# Altium PCB Main Board.PcbDoc
Units mil, origin at the board's own origin, x right, y up, seen from the top; angles counter-clockwise.
Board outline 7874.02 x 7874.02 mil, 2 copper layers (Top Layer, Bottom Layer); 79 components, 89 nets, 343 pads, 4 vias.
Unrouted connection lines stored in the file: 122.
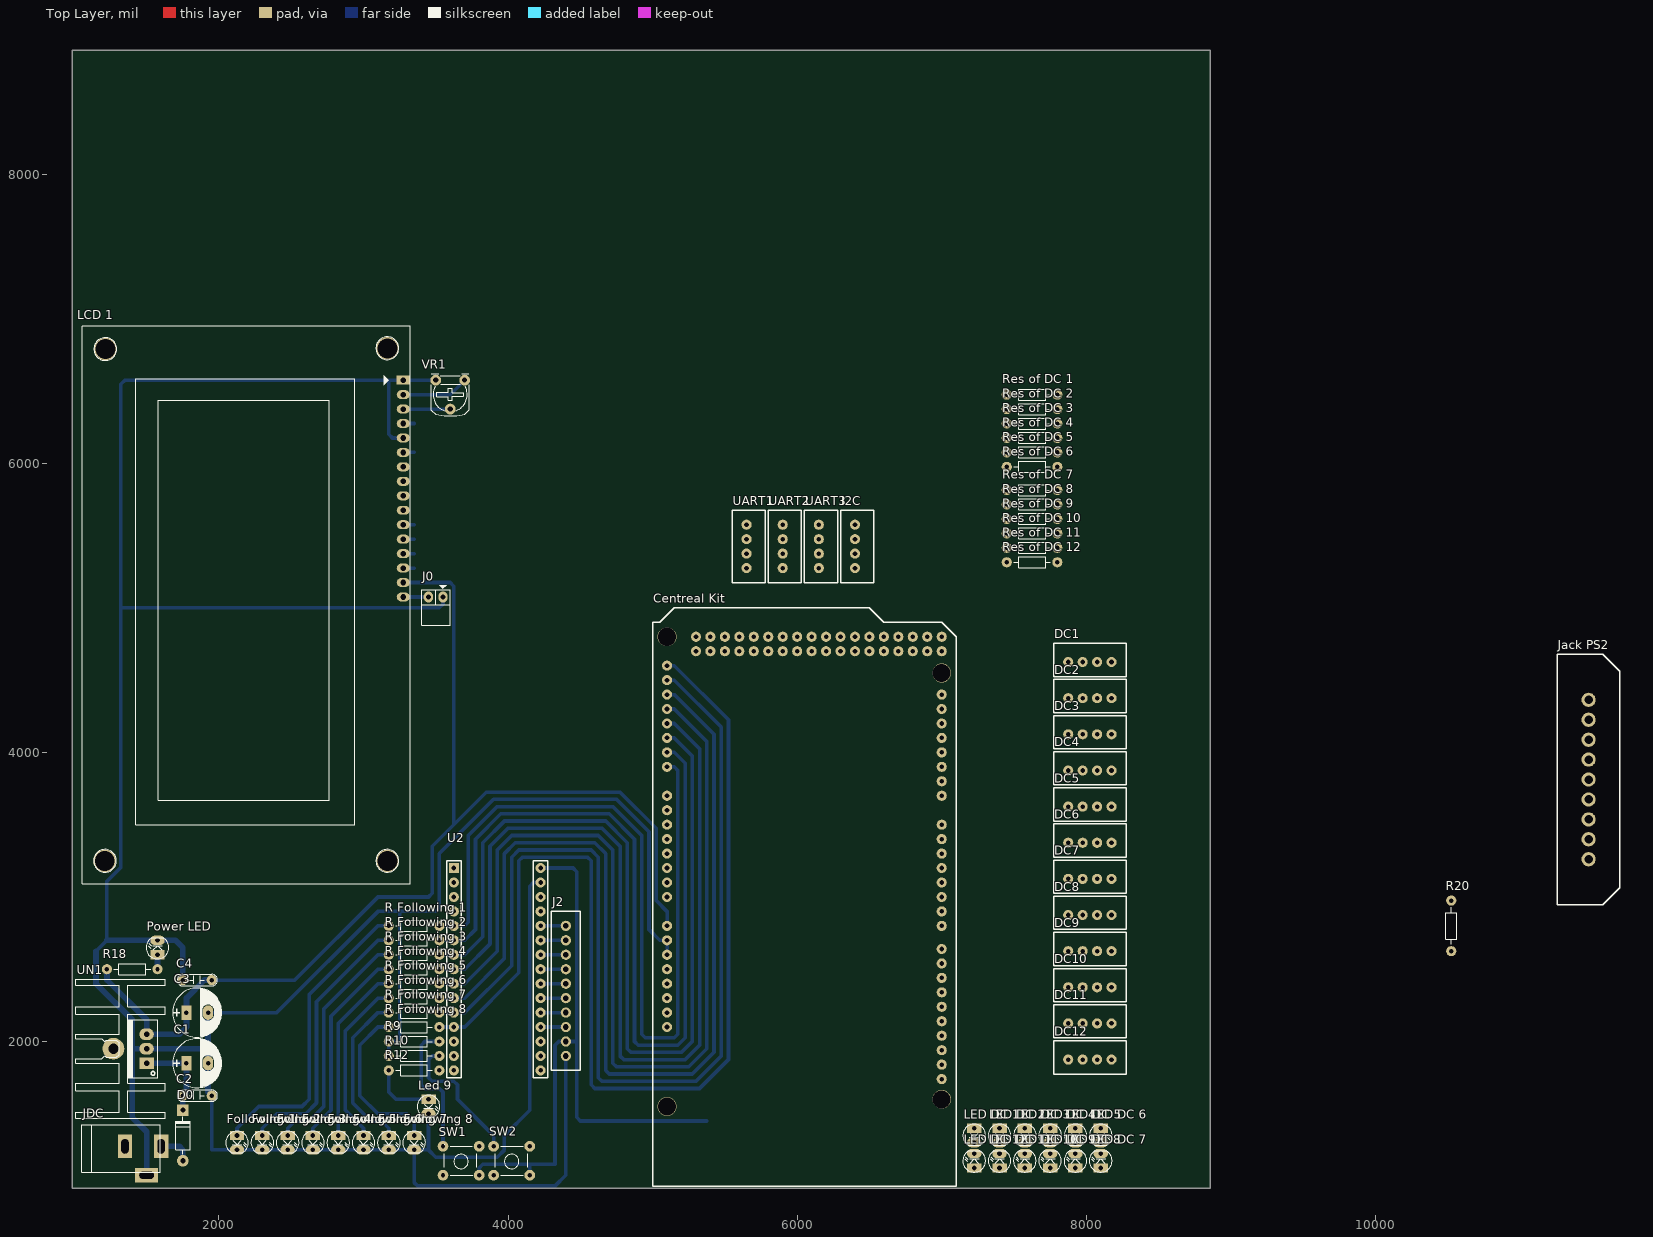
[diagram p0: Top Layer view]
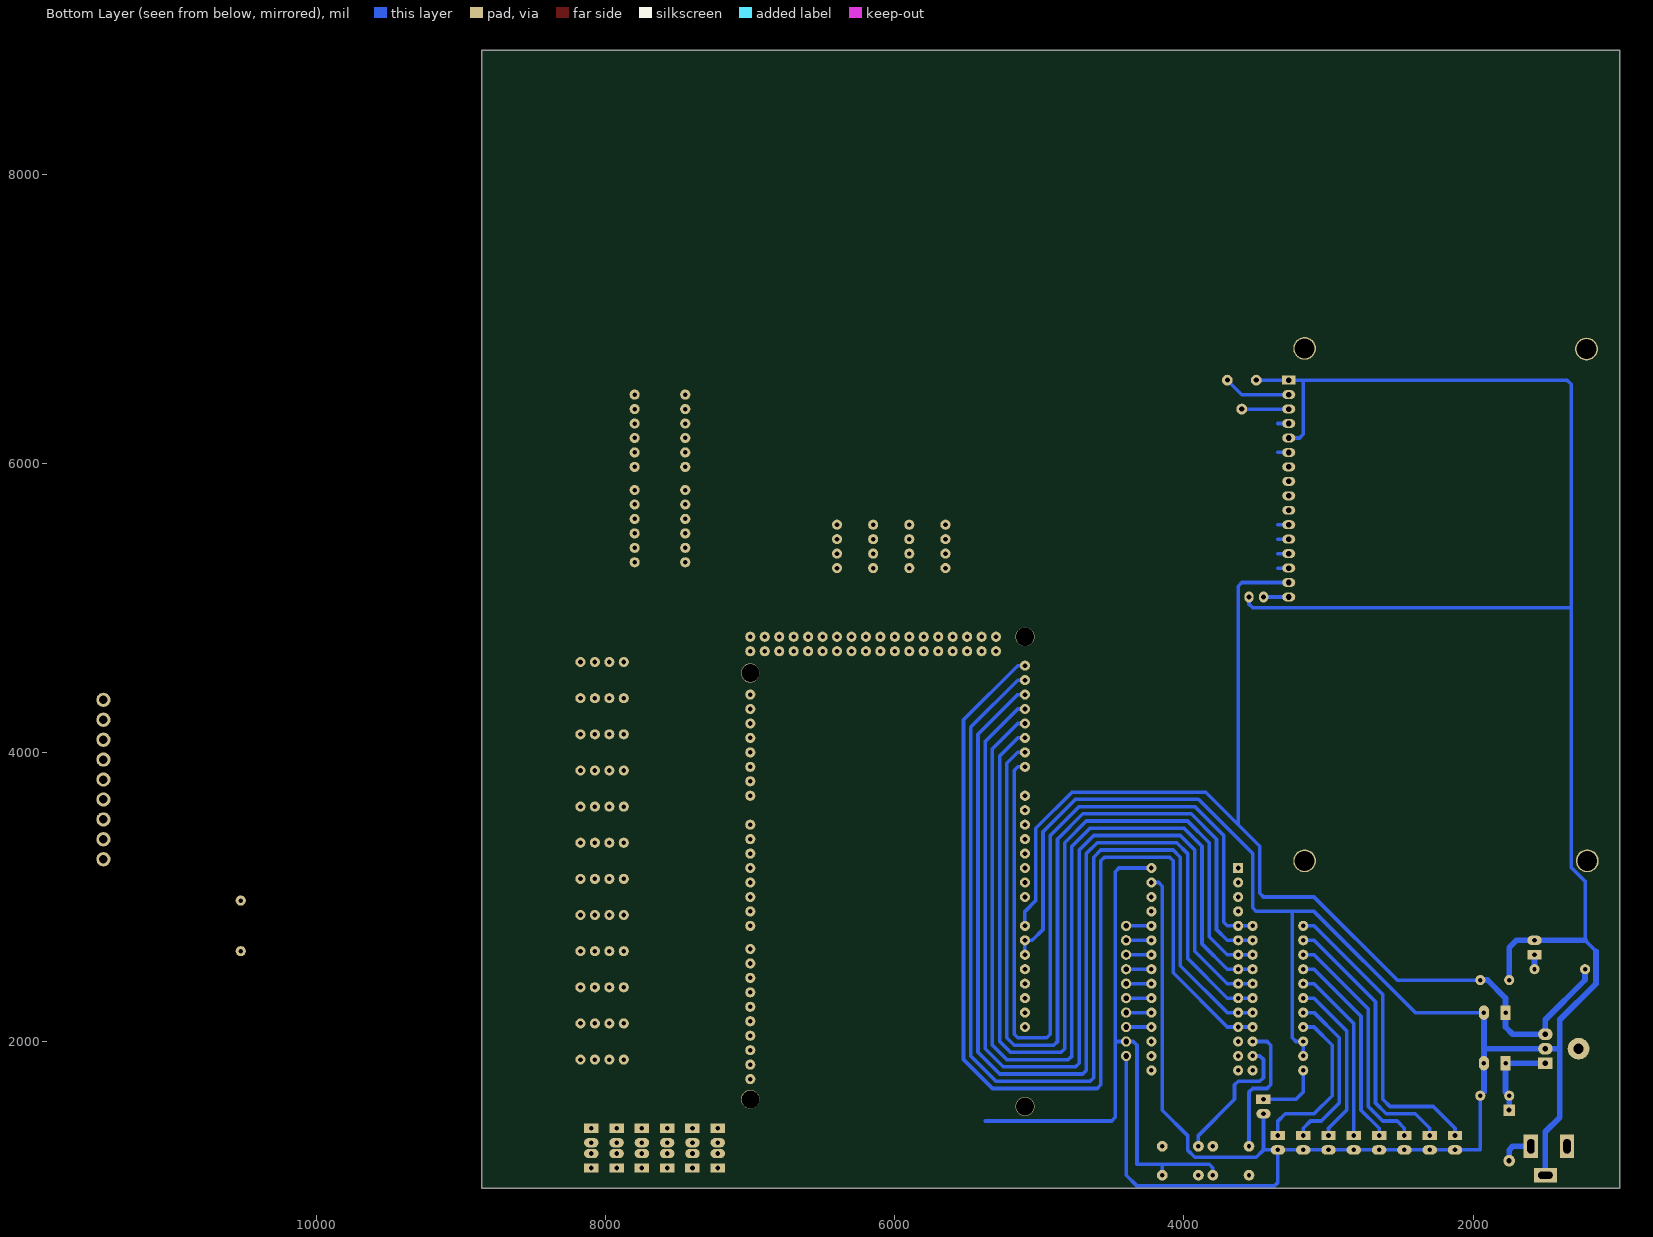
[diagram p1: Bottom Layer view, seen from below]

## Layer stack, top to bottom
Top Solder: solder mask 0.4, Solder Resist, Dk 3.5
Top Layer: signal copper 1.4
Dielectric 1: dielectric 12.6, FR-4, Dk 4.8
Bottom Layer: signal copper 1.4
Bottom Solder: solder mask 0.4, Solder Resist, Dk 3.5

## Board outline
984.25,984.25 8858.27,984.25 8858.27,8858.27 984.25,8858.27

## Design rules (kind name [scope] priority, off if disabled: settings)
Clearance [All] p1: gap=20 ignorepadtopadclearanceinfootprint=FALSE
PolygonConnect [All] p1: connectstyle=Relief reliefconductorwidth=10 reliefentries=4 polygonreliefangle="90 Angle" airgapwidth=10
RoutingVias [All] p1: holewidth=28 width=50 viastyle="Through Hole" minholewidth=28 minwidth=50 maxholewidth=28 maxwidth=50
SolderMaskExpansion [All] p1: expansion=4
Width [All] p1: maxlimit=40 minlimit=25 preferedwidth=25
30 further rules are at their usual default settings.

## Components (designator, comment, footprint, x,y, rotation, side; value= is the part's Value field where it differs from the comment)
C1 "1000uF/50V" CP1.5/3.4 1775,1850 r0 top value=1000uF/16V
C2 "104" CN2 1750,1625 r0 top value=0.1uF
C3 "100uF/35V" CP1.5/3.4 1775,2200 r0 top value=100uF/35V/50V
C4 "104" CN2 1750,2425 r0 top value=0.1uF
"Centreal Kit" "Arduino MEGA" "Arduino MEGA 2560 (Flipped)" 5000,1000 r180 top
D0 "1N4007" D1A 1750,1175 r270 top
DC1 "Header 4p 2.54mm" "Header 4p 2.54mm" 8175,4625 r180 top
DC2 "Header 4p 2.54mm" "Header 4p 2.54mm" 8175,4375 r180 top
DC3 "Header 4p 2.54mm" "Header 4p 2.54mm" 8175,4125 r180 top
DC4 "Header 4p 2.54mm" "Header 4p 2.54mm" 8175,3875 r180 top
DC5 "Header 4p 2.54mm" "Header 4p 2.54mm" 8175,3625 r180 top
DC6 "Header 4p 2.54mm" "Header 4p 2.54mm" 8175,3375 r180 top
DC7 "Header 4p 2.54mm" "Header 4p 2.54mm" 8175,3125 r180 top
DC8 "Header 4p 2.54mm" "Header 4p 2.54mm" 8175,2875 r180 top
DC9 "Header 4p 2.54mm" "Header 4p 2.54mm" 8175,2625 r180 top
DC10 "Header 4p 2.54mm" "Header 4p 2.54mm" 8175,2375 r180 top
DC11 "Header 4p 2.54mm" "Header 4p 2.54mm" 8175,2125 r180 top
DC12 "Header 4p 2.54mm" "Header 4p 2.54mm" 8175,1875 r180 top
"Following 1" "LED" LED-3 2125,1350 r270 top value="LED 3 ly Single Colour"
"Following 2" "LED" LED-3 2300,1350 r270 top value="LED 3 ly Single Colour"
"Following 3" "LED" LED-3 2475,1350 r270 top value="LED 3 ly Single Colour"
"Following 4" "LED" LED-3 2650,1350 r270 top value="LED 3 ly Single Colour"
"Following 5" "LED" LED-3 2825,1350 r270 top value="LED 3 ly Single Colour"
"Following 6" "LED" LED-3 3000,1350 r270 top value="LED 3 ly Single Colour"
"Following 7" "LED" LED-3 3175,1350 r270 top value="LED 3 ly Single Colour"
"Following 8" "LED" LED-3 3350,1350 r270 top value="LED 3 ly Single Colour"
I2C "Header 4p 2.54mm" "Header 4p 2.54mm" 6400,5275 r90 top
J0 "Jumper 2" jp2h 3550,5075 r180 top value="JP 2"
J2 "Header 10p 2.54mm" "Header 10p 2.54mm" 4400,1900 r180 top
"Jack PS2" "JACK PS2" "Jack PS2" 11475,3261.02 r90 top
JDC "Jac DC" DC-IN 1475,1175 r0 top
"LCD 1" "LCD 20x4A" LCD20X4A 3275,6575 r270 top
"Led 9" "LED" LED-3 3450,1600 r270 top value="LED 3 ly Single Colour"
"LED DC 1" "LED" LED-3 7225,1400 r270 top value="LED 3 ly Single Colour"
"LED DC 2" "LED" LED-3 7400,1400 r270 top value="LED 3 ly Single Colour"
"LED DC 3" "LED" LED-3 7575,1400 r270 top value="LED 3 ly Single Colour"
"LED DC 4" "LED" LED-3 7750,1400 r270 top value="LED 3 ly Single Colour"
"LED DC 5" "LED" LED-3 7925,1400 r270 top value="LED 3 ly Single Colour"
"LED DC 6" "LED" LED-3 8100,1400 r270 top value="LED 3 ly Single Colour"
"LED DC 7" "LED" LED-3 8100,1125 r90 top value="LED 3 ly Single Colour"
"LED DC 8" "LED" LED-3 7925,1125 r90 top value="LED 3 ly Single Colour"
"LED DC 9" "LED" LED-3 7750,1125 r90 top value="LED 3 ly Single Colour"
"LED DC 10" "LED" LED-3 7575,1125 r90 top value="LED 3 ly Single Colour"
"LED DC 11" "LED" LED-3 7400,1125 r90 top value="LED 3 ly Single Colour"
"LED DC 12" "LED" LED-3 7225,1125 r90 top value="LED 3 ly Single Colour"
"Power LED" "LED" LED-3 1575,2600 r90 top value="LED 3 ly Single Colour"
R9 "10k" R1/4W 3525,2000 r180 top value="R1/4W - 1K"
R10 "10k" R1/4W 3525,1900 r180 top value="R1/4W - 1K"
R12 "300" R1/4W 3525,1800 r180 top value="R1/4W - 1K"
R18 "330" R1/4W 1575,2500 r180 top value="R1/4W - 1K"
R20 "1k" R1/4W 10525,2975 r270 top value="R1/4W - 1K"
"R Following 1" "300" R1/4W 3525,2800 r180 top value="R1/4W - 1K"
"R Following 2" "300" R1/4W 3525,2700 r180 top value="R1/4W - 1K"
"R Following 3" "300" R1/4W 3525,2600 r180 top value="R1/4W - 1K"
"R Following 4" "300" R1/4W 3525,2500 r180 top value="R1/4W - 1K"
"R Following 5" "300" R1/4W 3525,2400 r180 top value="R1/4W - 1K"
"R Following 6" "300" R1/4W 3525,2300 r180 top value="R1/4W - 1K"
"R Following 7" "300" R1/4W 3525,2200 r180 top value="R1/4W - 1K"
"R Following 8" "300" R1/4W 3525,2100 r180 top value="R1/4W - 1K"
"Res of DC 1" "300" R1/4W 7450,6475 r0 top value="R1/4W - 1K"
"Res of DC 2" "300" R1/4W 7450,6375 r0 top value="R1/4W - 1K"
"Res of DC 3" "300" R1/4W 7450,6275 r0 top value="R1/4W - 1K"
"Res of DC 4" "300" R1/4W 7450,6175 r0 top value="R1/4W - 1K"
"Res of DC 5" "300" R1/4W 7450,6075 r0 top value="R1/4W - 1K"
"Res of DC 6" "300" R1/4W 7450,5975 r0 top value="R1/4W - 1K"
"Res of DC 7" "300" R1/4W 7450,5815 r0 top value="R1/4W - 1K"
"Res of DC 8" "300" R1/4W 7450,5715 r0 top value="R1/4W - 1K"
"Res of DC 9" "300" R1/4W 7450,5615 r0 top value="R1/4W - 1K"
"Res of DC 10" "300" R1/4W 7450,5515 r0 top value="R1/4W - 1K"
"Res of DC 11" "300" R1/4W 7450,5415 r0 top value="R1/4W - 1K"
"Res of DC 12" "300" R1/4W 7450,5315 r0 top value="R1/4W - 1K"
SW1 "SW" SW4 3800,1075 r180 top value="Button chip 4 pin"
SW2 "SW" SW4 4150,1075 r180 top value="Button chip 4 pin"
U2 "Arduino NANO" "Arduino NANO" 3575,3250 r0 top
UART1 "Header 4p 2.54mm" "Header 4p 2.54mm" 5650,5275 r90 top
UART2 "Header 4p 2.54mm" "Header 4p 2.54mm" 5900,5275 r90 top
UART3 "Header 4p 2.54mm" "Header 4p 2.54mm" 6150,5275 r90 top
UN1 "L78M05CP" QTO-220H2 1500,1950 r90 top
VR1 "10K" VR 3700,6575 r180 top value="VR 10K"

## Footprints (in the part's own frame and the unit in brackets; to place one, negate y for a bottom-side part, rotate by r counter-clockwise, add the part's x,y. Pads: shape width x height; smd on the part's side, far side on the other; paste and mask are expansions set on the pad)
"Arduino MEGA 2560 (Flipped)" [mil]
  round 70 hole 32: 0(-2000,-2500) 1(-2000,-2400) 2(-2000,-2300) 3(-2000,-2200) 4(-2000,-2100) 5(-2000,-2000) 6(-2000,-1900) 7(-2000,-1800) 8(-2000,-1640) 9(-2000,-1540) 10(-2000,-1440) 11(-2000,-1340) 12(-2000,-1240) 13(-2000,-1140) 14(-2000,-2700) 15(-2000,-2800) 16(-2000,-2900) 17(-2000,-3000) 18(-2000,-3100) 19(-2000,-3200) 20(-2000,-840) 20(-2000,-3300) 21(-2000,-740) 21(-2000,-3400) 22(-1900,-3700) 23(-1900,-3800) 24(-1800,-3700) 25(-1800,-3800) 26(-1700,-3700) 27(-1700,-3800) 28(-1600,-3700) 29(-1600,-3800) 30(-1500,-3700) 31(-1500,-3800) 32(-1400,-3700) 33(-1400,-3800) 34(-1300,-3700) 35(-1300,-3800) 36(-1200,-3700) 37(-1200,-3800) 38(-1100,-3700) 39(-1100,-3800) 40(-1000,-3700) 41(-1000,-3800) 42(-900,-3700) 43(-900,-3800) 44(-800,-3700) 45(-800,-3800) 46(-700,-3700) 47(-700,-3800) 48(-600,-3700) 49(-600,-3800) 50(-500,-3700) 51(-500,-3800) 52(-400,-3700) 53(-400,-3800) 54(-100,-2000) 55(-100,-2100) 56(-100,-2200) 57(-100,-2300) 58(-100,-2400) 59(-100,-2500) 60(-100,-2600) 61(-100,-2700) 62(-100,-2900) 63(-100,-3000) 64(-100,-3100) 65(-100,-3200) 66(-100,-3300) 67(-100,-3400) 68(-100,-3500) 69(-100,-3600) 70(-100,-1800) 71(-2000,-1040) 71(-100,-1600) 71(-100,-1700) 72(-100,-1500) 73(-100,-1400) 74(-100,-1300) 75(-100,-1200) ""(-2000,-940) ""(-2000,-3800) ""(-2000,-3700) ""(-300,-3800) ""(-300,-3700) ""(-100,-1100)
  silkscreen extent -2100,-4000 0,0
"Arduino NANO" [mil]
  rect 70x70 hole 32: 0(50,-50)
  round 70 hole 32: 1(50,-150) 2(50,-250) 3(50,-350) 4(50,-450) 5(50,-550) 6(50,-650) 7(50,-750) 8(50,-850) 9(50,-950) 10(50,-1050) 11(50,-1150) 12(50,-1250) 13(50,-1350) 14(50,-1450) 15(650,-1450) 16(650,-1350) 17(650,-1250) 18(650,-1150) 19(650,-1050) 20(650,-950) 21(650,-850) 22(650,-750) 23(650,-650) 24(650,-550) 25(650,-450) 26(650,-350) 27(650,-250) 28(650,-150) 29(650,-50)
  silkscreen extent 0,-1500 700,0, body extent 4,-1672 713,100, height 498
CN2 [mil]
  round 70 hole 31: 1(0,0) 2(200,0)
  silkscreen extent -40,-40 240,40, body extent -54,-44 260,55, height 407
CP1.5/3.4 [mil] "Tu hoa 220->470uF,16V, 470uF/16V,25V"
  rect 70x100 hole 32: 1(0,0)
  oval 70x100 hole 32: 2(150,0)
  silkscreen extent -95,-170 245,170, body extent -85,-157 230,157, height 446
D1A [mil] "Diode 1A, W 100mil, L 350mil"
  round 80 hole 35: 1(0,0)
  rect 80x80 hole 35: 2(-350,0)
  silkscreen extent -305,-50 -45,50, body extent -386,-33 34,36, height 84
DC-IN [mil] "Jac DC input"
  rect 100x160 hole 50 slot 100 at 90 deg: 1(125,100) 2(-125,100)
  rect 160x100 hole 50 slot 100 at 0 deg: 3(25,-100)
  silkscreen extent -425,-80 120,250, body extent -410,-105 134,269, height 434
"Header 4p 2.54mm" [mil]
  round 70 hole 32: 1(0,0) 2(100,0) 3(200,0) 4(300,0)
  silkscreen extent -100,-130 400,100, body extent -96,-136 396,93, height 276
"Header 10p 2.54mm" [mm]
  round 1.8 hole 1: 1(0,0) 2(0,-2.54) 3(0,-5.08) 4(0,-7.62) 5(0,-10.16) 6(0,-12.7) 7(0,-15.24) 8(0,-17.78) 9(0,-20.32) 10(0,-22.86)
  silkscreen extent -2.54,-25.4 2.54,2.54
"Jack PS2" [mm]
  round 2.5 hole 1.5: 1(0,0) 2(3.5,0) 3(7,0) 4(10.5,0) 5(14,0) 6(17.5,0) 7(21,0) 8(24.5,0) 9(28,0)
  silkscreen extent -8,-5.5 36,5.5
jp2h [mil]
  oval 65x75 hole 36: 1(0,0) 2(101,0)
  silkscreen extent -50,-81 148,197, body extent -44,-14 148,424, height 99
LCD20X4A [mil] "LCD dipslay 20x4, 16 pin"
  rect 62x90 hole 39: 1(0,0)
  oval 62x90 hole 39: 2(100,0) 3(200,0) 4(300,0) 5(400,0) 6(500,0) 7(600,0) 8(700,0) 9(800,0) 10(900,0) 11(1000,0) 12(1100,0) 13(1200,0) 14(1300,0) 15(1400,0) 16(1500,0)
  round 157.48 hole 137.8: "Hole 0"(-220,-110) "Hole 0"(-215,-2060) "Hole 0"(3325,-110) "Hole 0"(3325,-2065)
  silkscreen extent -375,-2220 3485,50, body extent -392,-2264 3466,98, height 417
LED-3 [mil] "LED 2 PIN, 3ly Only colour"
  rect 65x100 hole 32: 1(0,0)
  oval 65x100 hole 32: 2(100,0)
  silkscreen extent -29,-78 118,79, body extent -25,-75 113,75, height 217
QTO-220H2 [mil] "TO-220 - 1-2-3"
  round 150 hole 70: 0(0,230)
  rect 80x100 hole 39: 1(-100,0)
  oval 80x100 hole 39: 2(0,0) 3(100,0)
  silkscreen extent -480,-130 480,490, body extent -449,-177 453,469, height 1206
R1/4W [mil] "R 1/4W, 2 Pin, 350mil"
  round 70 hole 31: 1(0,0) 2(350,0)
  silkscreen extent 48,-38 302,38, body extent -40,-47 386,47, height 111
SW4 [mil] "SW button 4pin, 250 x250 mil"
  round 75 hole 31: 1(0,0) 2(250,-200) 3(250,0) 4(0,-200)
  silkscreen extent 15,-215 240,0, body extent -36,-220 276,24, height 276
VR [mil] "Resistor Variable"
  round 75 hole 35: 1(0,0) 2(100,200) 3(200,0)
  silkscreen extent -31,-44 231,246, body extent -87,-30 307,372, height 165

## Part data
C1: library part CP4, "Cap 1000uF/16V - 220uF/50V", Description 1="2200uF-3300uF/6,3V - 1000uF-2200uF/10V", Description 2="1000uF/16V - 470uF => 1000uF/25V - 100uF/100V", Description 3=330uF>470uF/35V_220uF>470uF/50V_10uF>22uF/250V, Description 4="220uF => 330uF/63V - 10uF =>33uF/160 - 200V", Description 5="4,7uF>10uF/250V_3,3uF>10uF/400V - 2,2uF>4,7uF/450V"
C2 C4: library part CN2, "Cap np 104 => 105pF"
C3: library part CP3, "Cap 100uF/35V - 470uF/16V", Description 1="1000uF/6,3V - 470uF/16V - 330uF - 25V", Description 2="220uF/35V - 100uF/50V - 63V - 4,7uF/200V", Description 3="22uF => 33uF100V - 3,3uF => 4,7uF/250V", Description 4="2,2uF =>3,3uF/350 - 2,2uF/400V - 1uF/450V"
"Centreal Kit": library part "Arduino MEGA 2560"
D0: library part D1A, "Diode 1A"
"Following 1" "Following 2" "Following 3" "Following 4" "Following 5" "Following 6" "Following 7" "Following 8" "Led 9" "LED DC 1" "LED DC 2" "LED DC 3" "LED DC 4" "LED DC 5" "LED DC 6" "LED DC 7" "LED DC 8" "LED DC 9" "LED DC 10" "LED DC 11" "LED DC 12" "Power LED": "LED Single colour Green and Red"
J0: library part "JP 2"
JDC: library part DCIN, "Jac DC input"
"LCD 1": library part LCD20x4A, "LCD dipslay 20 char, 4 line"
R9 R10 R12 R18 R20 "R Following 1" "R Following 2" "R Following 3" "R Following 4" "R Following 5" "R Following 6" "R Following 7" "R Following 8" "Res of DC 1" "Res of DC 2" "Res of DC 3" "Res of DC 4" "Res of DC 5" "Res of DC 6" "Res of DC 7" "Res of DC 8" "Res of DC 9" "Res of DC 10" "Res of DC 11" "Res of DC 12": library part R1/4W, "Resistor 1/4W"
SW1 SW2: library part SW4, "Switch button 4 pin"
UN1: "Positive Voltage Regulator", ComponentLink1Description="Manufacturer Link", ComponentLink1URL=http://www.st.com/, ComponentLink2Description=Datasheet, ComponentLink2URL=http://www.st.com/stonline/products/literature/ds/2146/l78m05c.pdf, DatasheetVersion=Apr-1994, LatestRevisionDate=17-Jul-2002, LatestRevisionNote="Re-released for DXP Platform.", Note="Tab is connected to pin 3 (GND).", PackageDescription="TO, Thru-Hole, Vertical, Heatsink Mounted; 3 In-Line Leads; Pitch 2.54 mm; Pin sequence 1, 3, 2", PackageReference=ISOWATT220AB, PackageVersion=Jul-1998, Published=24-Aug-2001, Publisher="Altium Limited"
VR1: library part VR, "Var Resistor"

## Via types
v1: diameter 130, hole 125, Top Layer to Bottom Layer, 4 vias

## Nets (pads, with @x,y where several pads share a name; then routed paths per layer and width w, separated by ;. In a path a pad name is that pad's centre, name@x,y a point inside that pad or via, vN(x,y) a via of type N, cw(c..) or ccw(c..) an arc to the next point about the centre after c; other vN are vias at no path point)
"Alarm 1": R12.1 U2.14
"Analog 8": "Centreal Kit.62" "R Following 1.1" U2.4 | length 5732.1
  Bottom Layer w25: 3525,2800 U2.4 3700,2800 3725,2825 3725,3425 3925,3625 4725,3625 4925,3425 4925,2050 4950,2025 5150,2025 5175,2050 5175,3875 5150,3900 5100,3900
"Analog 9": "Centreal Kit.63" "R Following 2.1" U2.5 | length 5988.2
  Bottom Layer w25: 3525,2700 U2.5 3700,2700 3775,2775 3775,3400 3950,3575 4700,3575 4875,3400 4875,2000 4900,1975 5175,1975 5225,2025 5225,3925 5150,4000 5100,4000
"Analog 10": "Centreal Kit.64" "R Following 3.1" U2.6 | length 6244.2
  Bottom Layer w25: 3525,2600 U2.6 3700,2600 3825,2725 3825,3375 3975,3525 4675,3525 4825,3375 4825,1950 4850,1925 5200,1925 5275,2000 5275,3975 5150,4100 5100,4100
"Analog 11": "Centreal Kit.65" "R Following 4.1" U2.7 | length 6500.3
  Bottom Layer w25: 3525,2500 U2.7 3700,2500 3875,2675 3875,3350 4000,3475 4650,3475 4775,3350 4775,1900 4800,1875 5225,1875 5325,1975 5325,4025 5150,4200 5100,4200
"Analog 12": "Centreal Kit.66" "R Following 5.1" U2.8 | length 6756.4
  Bottom Layer w25: 3525,2400 U2.8 3700,2400 3925,2625 3925,3325 4025,3425 4625,3425 4725,3325 4725,1850 4750,1825 5250,1825 5375,1950 5375,4075 5150,4300 5100,4300
"Analog 13": "Centreal Kit.67" "R Following 6.1" U2.9 | length 7012.4
  Bottom Layer w25: 3525,2300 U2.9 3700,2300 3975,2575 3975,3300 4050,3375 4600,3375 4675,3300 4675,1800 4700,1775 5275,1775 5425,1925 5425,4125 5150,4400 5100,4400
"Analog 14": "Centreal Kit.68" "R Following 7.1" U2.10 | length 7268.5
  Bottom Layer w25: 3525,2200 U2.10 3700,2200 4025,2525 4025,3275 4075,3325 4575,3325 4625,3275 4625,1750 4650,1725 5300,1725 5475,1900 5475,4175 5150,4500 5100,4500
"Analog 15": "Centreal Kit.69" "R Following 8.1" U2.11 | length 7524.6
  Bottom Layer w25: 3525,2100 U2.11 3700,2100 4075,2475 4075,3250 4100,3275 4550,3275 4575,3250 4575,1700 4600,1675 5325,1675 5525,1875 5525,4225 5150,4600 5100,4600
D4_Pin: "Centreal Kit.32" "LCD 1.11" | length 75
  Bottom Layer w25: 3275,5575 3350,5575
D5_Pin: "Centreal Kit.34" "LCD 1.12" | length 75
  Bottom Layer w25: 3275,5475 3350,5475
D6_Pin: "Centreal Kit.36" "LCD 1.13" | length 75
  Bottom Layer w25: 3275,5375 3350,5375
D7_Pin: "Centreal Kit.38" "LCD 1.14" | length 75
  Bottom Layer w25: 3275,5275 3350,5275
DC_Direct_1: "Centreal Kit.23" DC1.3
DC_Direct_2: "Centreal Kit.25" DC2.3
DC_Direct_3: "Centreal Kit.27" DC3.3
DC_Direct_4: "Centreal Kit.29" DC4.3
DC_Direct_5: "Centreal Kit.31" DC5.3
DC_Direct_6: "Centreal Kit.33" DC6.3
DC_Direct_7: "Centreal Kit.35" DC7.3
DC_Direct_8: "Centreal Kit.37" DC8.3
DC_Direct_9: "Centreal Kit.39" DC9.3
DC_Direct_10: "Centreal Kit.41" DC10.3
DC_Direct_11: "Centreal Kit.43" DC11.3
DC_Direct_12: "Centreal Kit.45" DC12.3
DC_Pulse_1: "Centreal Kit.2" "Res of DC 1.2" DC1.4
DC_Pulse_2: "Centreal Kit.3" "Res of DC 2.2" DC2.4
DC_Pulse_3: "Centreal Kit.4" "Res of DC 3.2" DC3.4
DC_Pulse_4: "Centreal Kit.5" "Res of DC 4.2" DC4.4
DC_Pulse_5: "Centreal Kit.6" "Res of DC 5.2" DC5.4
DC_Pulse_6: "Centreal Kit.7" "Res of DC 6.2" DC6.4
DC_Pulse_7: "Centreal Kit.8" "Res of DC 7.2" DC7.4
DC_Pulse_8: "Centreal Kit.9" "Res of DC 8.2" DC8.4
DC_Pulse_9: "Centreal Kit.10" "Res of DC 9.2" DC9.4
DC_Pulse_10: "Centreal Kit.11" "Res of DC 10.2" DC10.4
DC_Pulse_11: "Centreal Kit.12" "Res of DC 11.2" DC11.4
DC_Pulse_12: "Centreal Kit.13" "Res of DC 12.2" DC12.4
EN_Pin: "Centreal Kit.30" "LCD 1.6" | length 75
  Bottom Layer w25: 3275,6075 3350,6075
GND: "Centreal Kit.71" "Following 1.2" "Following 2.2" "Following 3.2" "Following 4.2" "Following 5.2" "Following 6.2" "Following 7.2" "Following 8.2" "Jack PS2.4" "LCD 1.1" "LCD 1.5" "Led 9.2" "LED DC 1.2" "LED DC 2.2" "LED DC 3.2" "LED DC 4.2" "LED DC 5.2" "LED DC 6.2" "LED DC 7.2" "LED DC 8.2" "LED DC 9.2" "LED DC 10.2" "LED DC 11.2" "LED DC 12.2" "Power LED.2" C1.2 C2.2 C3.2 C4.1 DC1.1 DC2.1 DC3.1 DC4.1 DC5.1 DC6.1 DC7.1 DC8.1 DC9.1 DC10.1 DC11.1 DC12.1 I2C.1 J0.1 J2.1 JDC.3 R9.2 R10.2 U2.28 UART1.1 UART2.1 UART3.1 UN1.2 VR1.3 | length 25324.6
  Bottom Layer w25: 1150,2625 1225,2700 1225,3107.68 1321.24,3203.92 1321.24,5000 ; C3.2 2400,2200 3100,2900 3250,2900 ; C2.2 1950,1250 2125,1250 2300,1250 2475,1250 2650,1250 2825,1250 3000,1250 3175,1250 3350,1250 ; R10.2 R9.2 3225,2000 3250,2025 3250,2900 ; 3275,6175 3200,6175 3175,6200 3175,6575 ; 3475,1500 3450,1475 3450,1250 ; VR1.3 3275,6575 3175,6575 ; J0.1 3550,5025 3525,5000 1321.24,5000 ; U2.28 4175,3100 4150,3075 4150,1525 3975,1350 3975,1250 3925,1200 3500,1200 3450,1250 ; J2.1 4400,1075 4325,1000 3375,1000 3350,1025 3350,1250 ; 5100,2600 5100,2700 5050,2700 4975,2775 4975,3450 4750,3675 3900,3675 3525,3300 3525,2925 3500,2900 3250,2900 ; 1321.24,5000 1321.24,6546.24 1350,6575 3175,6575 ; 3350,1250 3450,1250
  Bottom Layer w40: 1150,2625 1150,2400 1400,2150 1400,1950 ; 1225,2700 1575,2700 1700,2700 1750,2650 C4.1 ; JDC.3 1500,1375 1400,1475 1400,1950 ; C3.2 1925,1950 ; C2.2 1925,1650 C1.2 1925,1950 ; 1400,1950 UN1.2 1925,1950
I2C_Clock: "Centreal Kit.21" I2C.3
I2C_Data: "Centreal Kit.20" I2C.4
NetC1_1: C1.1 C2.1 D0.2 UN1.1 | length 610.4
  Bottom Layer w40: UN1.1 C1.1 1775,1650 C2.1 D0.2
NetD0_1: D0.1 JDC.1 | length 235.4
  Bottom Layer w40: JDC.1 1725,1275 1750,1250 D0.1
"NetFollowing 1_1": "Following 1.1" "R Following 1.2" | length 2104.6
  Bottom Layer w25: 2125,1350 2125,1400 2275,1550 2575,1550 2625,1600 2625,2325 3100,2800 3175,2800
"NetFollowing 2_1": "Following 2.1" "R Following 2.2" | length 1873.5
  Bottom Layer w25: 2300,1350 2300,1400 2400,1500 2600,1500 2675,1575 2675,2275 3100,2700 3175,2700
"NetFollowing 3_1": "Following 3.1" "R Following 3.2" | length 1642.5
  Bottom Layer w25: 2475,1350 2475,1400 2525,1450 2625,1450 2725,1550 2725,2225 3100,2600 3175,2600
"NetFollowing 4_1": "Following 4.1" "R Following 4.2" | length 1411.4
  Bottom Layer w25: 2650,1350 2650,1400 2775,1525 2775,2175 3100,2500 3175,2500
"NetFollowing 5_1": "Following 5.1" "R Following 5.2" | length 1238.9
  Bottom Layer w25: 2825,1350 2825,2125 3100,2400 3175,2400
"NetFollowing 6_1": "Following 6.1" "R Following 6.2" | length 1170
  Bottom Layer w25: 3000,1350 3000,1400 2875,1525 2875,2075 3100,2300 3175,2300
"NetFollowing 7_1": "Following 7.1" "R Following 7.2" | length 1145
  Bottom Layer w25: 3175,1350 3175,1400 3125,1450 3050,1450 2925,1575 2925,2025 3100,2200 3175,2200
"NetFollowing 8_1": "Following 8.1" "R Following 8.2" | length 1149.3
  Bottom Layer w25: 3175,2100 3100,2100 2975,1975 2975,1625 3100,1500 3300,1500 3350,1450 3350,1350
NetJ0_2: "LCD 1.16" J0.2 | length 174
  Bottom Layer w25: 3275,5075 J0.2
NetJ2_3: J2.3 U2.18 | length 175
  Bottom Layer w25: U2.18 J2.3
NetJ2_4: J2.4 U2.19 | length 175
  Bottom Layer w25: U2.19 J2.4
NetJ2_5: J2.5 U2.20 | length 175
  Bottom Layer w25: U2.20 J2.5
NetJ2_6: J2.6 U2.21 | length 175
  Bottom Layer w25: U2.21 J2.6
NetJ2_7: J2.7 U2.22 | length 175
  Bottom Layer w25: U2.22 J2.7
NetJ2_8: J2.8 U2.23 | length 175
  Bottom Layer w25: U2.23 J2.8
NetJ2_9: J2.9 U2.24 | length 175
  Bottom Layer w25: U2.24 J2.9
NetJ2_10: J2.10 U2.25 | length 175
  Bottom Layer w25: U2.25 J2.10
"NetLCD 1_3": "LCD 1.3" VR1.2 | length 325
  Bottom Layer w25: 3275,6375 VR1.2
"NetLed 9_1": "Led 9.1" R12.2 | length 445.7
  Bottom Layer w25: R12.2 3175,1650 3225,1600 3450,1600
"NetLED DC 1_1": "LED DC 1.1" "Res of DC 1.1"
"NetLED DC 2_1": "LED DC 2.1" "Res of DC 2.1"
"NetLED DC 3_1": "LED DC 3.1" "Res of DC 3.1"
"NetLED DC 4_1": "LED DC 4.1" "Res of DC 4.1"
"NetLED DC 5_1": "LED DC 5.1" "Res of DC 5.1"
"NetLED DC 6_1": "LED DC 6.1" "Res of DC 6.1"
"NetLED DC 7_1": "LED DC 7.1" "Res of DC 7.1"
"NetLED DC 8_1": "LED DC 8.1" "Res of DC 8.1"
"NetLED DC 9_1": "LED DC 9.1" "Res of DC 9.1"
"NetLED DC 10_1": "LED DC 10.1" "Res of DC 10.1"
"NetLED DC 11_1": "LED DC 11.1" "Res of DC 11.1"
"NetLED DC 12_1": "LED DC 12.1" "Res of DC 12.1"
"NetPower LED_1": "Power LED.1" R18.1 | length 100
  Bottom Layer w40: R18.1 1575,2600
RS_Pin: "Centreal Kit.28" "LCD 1.4" | length 75
  Bottom Layer w25: 3275,6275 3350,6275
SPI_MISO: "Centreal Kit.50" "Jack PS2.2"
SPI_MOSI: "Centreal Kit.51" "Jack PS2.7"
SPI_SCK: "Centreal Kit.52" "Jack PS2.1" R20.2
SPI_SS: "Centreal Kit.53" "Jack PS2.6"
"Switch 1": R9.1 SW1.2 U2.12 | length 956.1
  Bottom Layer w25: R9.1 3425,2000 3400,1975 3400,1700 3425,1675 3525,1675 3550,1650 SW1.2
"Switch 2": R10.1 SW2.2 U2.13 | length 959.6
  Bottom Layer w25: R10.1 3475,1900 3450,1875 3450,1750 3475,1725 3625,1725 3650,1700 3650,1600 3900,1350 SW2.2
UART1_RX: "Centreal Kit.19" UART1.3
UART1_TX: "Centreal Kit.18" UART1.4
UART2_RX: "Centreal Kit.17" UART2.3
UART2_TX: "Centreal Kit.16" UART2.4
UART3_RX: "Centreal Kit.15" UART3.3
UART3_TX: "Centreal Kit.14" UART3.4
VCC: "Centreal Kit.70" "Jack PS2.5" "LCD 1.2" "LCD 1.15" C3.1 C4.2 DC1.2 DC2.2 DC3.2 DC4.2 DC5.2 DC6.2 DC7.2 DC8.2 DC9.2 DC10.2 DC11.2 DC12.2 I2C.2 J2.2 R18.2 R20.1 SW1.1 SW2.1 U2.29 UART1.2 UART2.2 UART3.2 UN1.3 VR1.1 | length 12893.1
  Bottom Layer w25: C4.2 2525,2425 3100,3000 3450,3000 3475,3025 3475,3350 3625,3500 ; 3275,5175 3600,5175 3625,5150 3625,3500 ; 3275,6475 3600,6475 VR1.1 ; SW1.1 3800,1125 3825,1150 4150,1150 ; SW2.1 4150,1150 ; U2.29 4450,3200 4475,3175 4475,2000 ; 5100,2800 5100,2900 5025,2975 5025,3475 4775,3725 3850,3725 3625,3500 ; 5375,1450 4500,1450 4475,1475 4475,2000 ; 4150,1150 4325,1150 4325,1975 4350,2000 J2.2 4475,2000
  Bottom Layer w40: R18.2 1225,2425 1500,2150 UN1.3 1725,2050 1775,2100 C3.1 1775,2300 1900,2425 C4.2
pads on no net: "Centreal Kit.0" "Centreal Kit.1" "Centreal Kit.22" "Centreal Kit.24" "Centreal Kit.26" "Centreal Kit.40" "Centreal Kit.42" "Centreal Kit.44" "Centreal Kit.46" "Centreal Kit.47" "Centreal Kit.48" "Centreal Kit.49" "Centreal Kit.54" "Centreal Kit.55" "Centreal Kit.56" "Centreal Kit.57" "Centreal Kit.58" "Centreal Kit.59" "Centreal Kit.60" "Centreal Kit.61" "Centreal Kit.72" "Centreal Kit.73" "Centreal Kit.74" "Centreal Kit.75" "Centreal Kit." "Jack PS2.3" "Jack PS2.8" "Jack PS2.9" "LCD 1.7" "LCD 1.8" "LCD 1.9" "LCD 1.10" "LCD 1.Hole 0" JDC.2 SW1.3 SW1.4 SW2.3 SW2.4 U2.0 U2.1 U2.2 U2.3 U2.15 U2.16 U2.17 U2.26 U2.27 UN1.0
copper on no net:
  other v1: 5100,1550 7000,1600 7000,4550 5100,4800